# Altium PCB OctopusPB_r0101.PcbDoc (part 9 of 11) (continued)
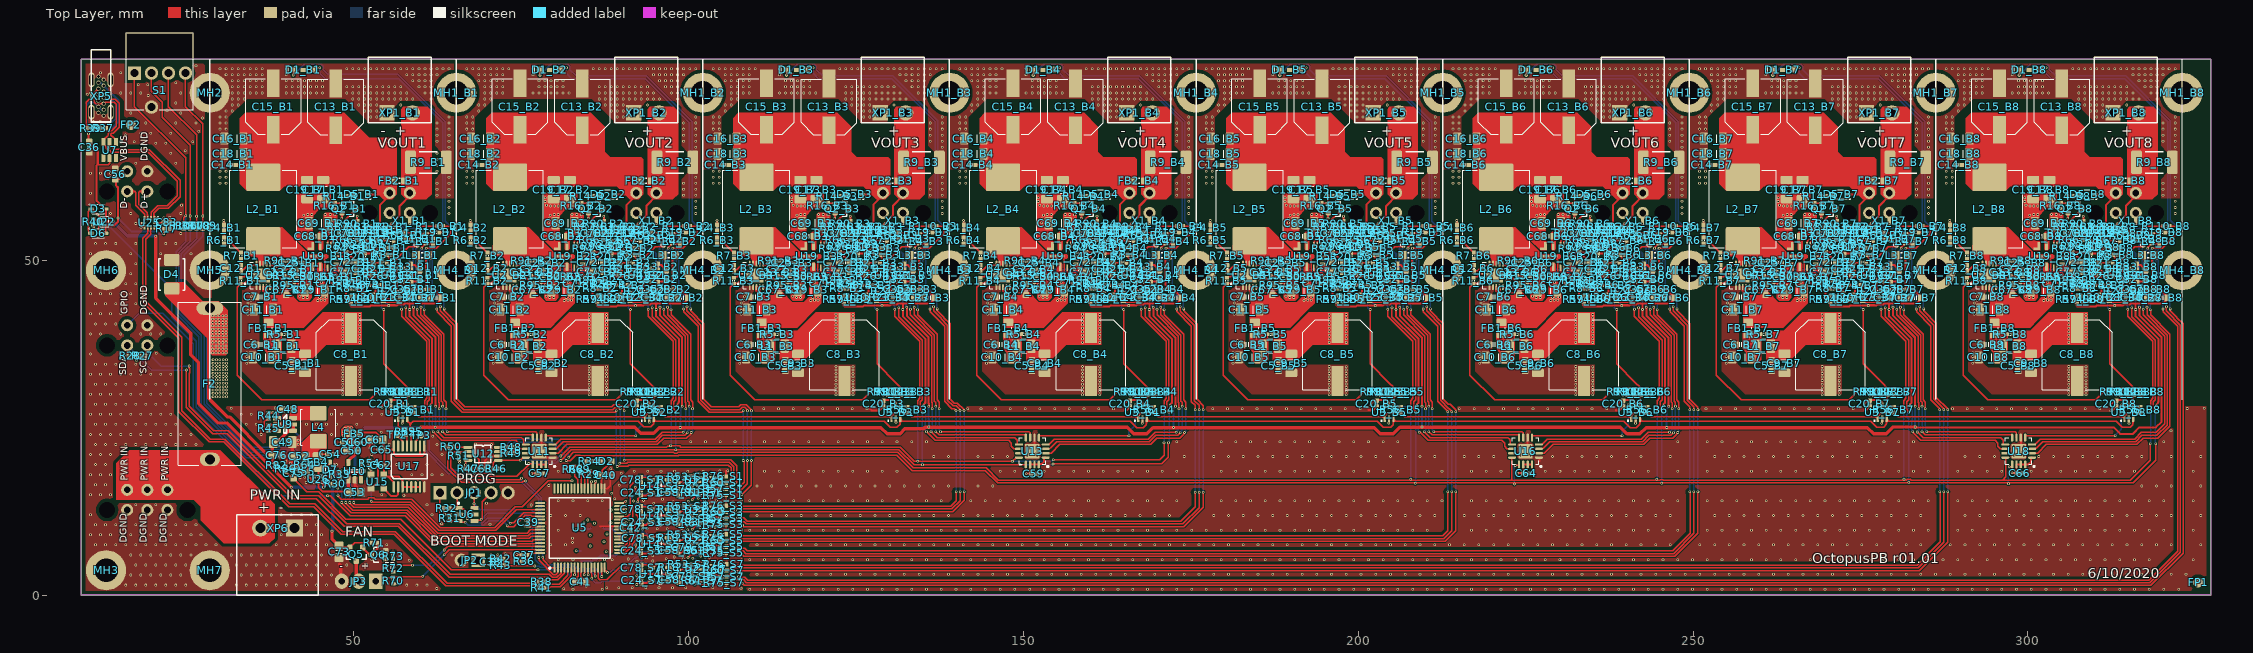
[diagram p0: Top Layer view]
## Nets (pads, with @x,y where several pads share a name; then routed paths per layer and width w, separated by ;. In a path a pad name is that pad's centre, name@x,y a point inside that pad or via, vN(x,y) a via of type N, cw(c..) or ccw(c..) an arc to the next point about the centre after c; other vN are vias at no path point) (continued)
NetQ2_B6_1: Q2_B6.1 R14_B6.1 R16_B6.2 | length 2.3
  Top Layer w0.2: R16_B6.2@231.275,58.605 231.403,58.478 232.223,58.478 Q2_B6.1@232.285,58.415 ; R14_B6.1@232.22,59.55 232.285,59.485 Q2_B6.1@232.285,58.415 ; Q2_B6.1@232.35,58.35 Q2_B6.1@232.285,58.415
NetQ2_B7_1: Q2_B7.1 R14_B7.1 R16_B7.2 | length 2.3
  Top Layer w0.2: R16_B7.2@268.1,58.605 268.228,58.478 269.048,58.478 Q2_B7.1@269.11,58.415 ; R14_B7.1@269.045,59.55 269.11,59.485 Q2_B7.1@269.11,58.415 ; Q2_B7.1@269.175,58.35 Q2_B7.1@269.11,58.415
NetQ2_B8_1: Q2_B8.1 R14_B8.1 R16_B8.2 | length 2.3
  Top Layer w0.2: R16_B8.2@304.925,58.605 305.053,58.478 305.873,58.478 Q2_B8.1@305.935,58.415 ; R14_B8.1@305.87,59.55 305.935,59.485 Q2_B8.1@305.935,58.415 ; Q2_B8.1@306,58.35 Q2_B8.1@305.935,58.415
NetQ5_1: Q5.1 Q6.3 R71.2 | length 4
  Top Layer w0.3: Q5.1@51.3,7.075 51.3,7.025 52.115,6.21 52.415,6.21 Q6.3@52.6,6.025 52.65,6.025 53.53,6.905 R71.2@53.53,7.8
NetQ6_1: Q6.1 R72.2 | length 3
  Top Layer w0.2: Q6.1@54.75,5.375 54.75,4.1 55.25,3.6 55.79,3.6 R72.2@55.875,3.515
  Top Layer w0.3: Q6.1@54.75,5.375 54.786,5.375 Q6.1@54.985,5.177
NetR8_B1_1: R8_B1.1 R58_B1.1 U20_B1.1 | length 2.5
  Top Layer w0.2: R8_B1.1@50.455,45.8 50.455,45.76 50.64,45.575 50.895,45.575 51.245,45.225 U20_B1.1@51.42,45.225 ; R8_B1.1@50.5,45.75 R8_B1.1@50.55,45.8 ; R58_B1.1@51.37,46.3 51.37,45.275 U20_B1.1@51.42,45.225 ; R58_B1.1@51.37,46.455 R58_B1.1@51.375,46.45 ; U20_B1.1@51.495,45.225 U20_B1.1@51.42,45.225
NetR8_B2_1: R8_B2.1 R58_B2.1 U20_B2.1 | length 2.5
  Top Layer w0.2: R8_B2.1@87.28,45.8 87.28,45.76 87.465,45.575 87.72,45.575 88.07,45.225 U20_B2.1@88.245,45.225 ; R8_B2.1@87.325,45.75 R8_B2.1@87.375,45.8 ; R58_B2.1@88.195,46.3 88.195,45.275 U20_B2.1@88.245,45.225 ; R58_B2.1@88.195,46.455 R58_B2.1@88.2,46.45 ; U20_B2.1@88.32,45.225 U20_B2.1@88.245,45.225
NetR8_B3_1: R8_B3.1 R58_B3.1 U20_B3.1 | length 2.5
  Top Layer w0.2: R8_B3.1@124.105,45.8 124.105,45.76 124.29,45.575 124.545,45.575 124.895,45.225 U20_B3.1@125.07,45.225 ; R8_B3.1@124.15,45.75 R8_B3.1@124.2,45.8 ; R58_B3.1@125.02,46.3 125.02,45.275 U20_B3.1@125.07,45.225 ; R58_B3.1@125.02,46.455 R58_B3.1@125.025,46.45 ; U20_B3.1@125.145,45.225 U20_B3.1@125.07,45.225
NetR8_B4_1: R8_B4.1 R58_B4.1 U20_B4.1 | length 2.5
  Top Layer w0.2: R8_B4.1@160.93,45.8 160.93,45.76 161.115,45.575 161.37,45.575 161.72,45.225 U20_B4.1@161.895,45.225 ; R8_B4.1@160.975,45.75 R8_B4.1@161.025,45.8 ; R58_B4.1@161.845,46.3 161.845,45.275 U20_B4.1@161.895,45.225 ; R58_B4.1@161.845,46.455 R58_B4.1@161.85,46.45 ; U20_B4.1@161.97,45.225 U20_B4.1@161.895,45.225
NetR8_B5_1: R8_B5.1 R58_B5.1 U20_B5.1 | length 2.5
  Top Layer w0.2: R8_B5.1@197.755,45.8 197.755,45.76 197.94,45.575 198.195,45.575 198.545,45.225 U20_B5.1@198.72,45.225 ; R8_B5.1@197.8,45.75 R8_B5.1@197.85,45.8 ; R58_B5.1@198.67,46.3 198.67,45.275 U20_B5.1@198.72,45.225 ; R58_B5.1@198.67,46.455 R58_B5.1@198.675,46.45 ; U20_B5.1@198.795,45.225 U20_B5.1@198.72,45.225
NetR8_B6_1: R8_B6.1 R58_B6.1 U20_B6.1 | length 2.5
  Top Layer w0.2: R8_B6.1@234.58,45.8 234.58,45.76 234.765,45.575 235.02,45.575 235.37,45.225 U20_B6.1@235.545,45.225 ; R8_B6.1@234.625,45.75 R8_B6.1@234.675,45.8 ; R58_B6.1@235.495,46.3 235.495,45.275 U20_B6.1@235.545,45.225 ; R58_B6.1@235.495,46.455 R58_B6.1@235.5,46.45 ; U20_B6.1@235.62,45.225 U20_B6.1@235.545,45.225
NetR8_B7_1: R8_B7.1 R58_B7.1 U20_B7.1 | length 2.5
  Top Layer w0.2: R8_B7.1@271.405,45.8 271.405,45.76 271.59,45.575 271.845,45.575 272.195,45.225 U20_B7.1@272.37,45.225 ; R8_B7.1@271.45,45.75 R8_B7.1@271.5,45.8 ; R58_B7.1@272.32,46.3 272.32,45.275 U20_B7.1@272.37,45.225 ; R58_B7.1@272.32,46.455 R58_B7.1@272.325,46.45 ; U20_B7.1@272.445,45.225 U20_B7.1@272.37,45.225
NetR8_B8_1: R8_B8.1 R58_B8.1 U20_B8.1 | length 2.5
  Top Layer w0.2: R8_B8.1@308.23,45.8 308.23,45.76 308.415,45.575 308.67,45.575 309.02,45.225 U20_B8.1@309.195,45.225 ; R8_B8.1@308.275,45.75 R8_B8.1@308.325,45.8 ; R58_B8.1@309.145,46.3 309.145,45.275 U20_B8.1@309.195,45.225 ; R58_B8.1@309.145,46.455 R58_B8.1@309.15,46.45 ; U20_B8.1@309.27,45.225 U20_B8.1@309.195,45.225
NetR10_B1_2: R10_B1.2 R11_B1.2 R99_B1.2 U2_B1.1 | length 42.5
  Top Layer w0.2: U2_B1.1@34.724,46.977 34.708,46.962 34.087,46.962 33.7,46.575 33.18,46.575 R11_B1.2@33.075,46.47 32.55,45.945 32.55,32.85 36.225,29.175 52.375,29.175 53.98,30.78 R99_B1.2@56.08,30.78 ; R99_B1.2@56.125,30.825 R99_B1.2@56.08,30.78 ; R10_B1.2@57.1,30.78 R99_B1.2@56.125,30.78 R99_B1.2@56.08,30.78
NetR10_B2_2: R10_B2.2 R11_B2.2 R99_B2.2 U2_B2.1 | length 42.4
  Top Layer w0.2: U2_B2.1@71.549,46.977 71.533,46.962 70.912,46.962 70.525,46.575 70.005,46.575 R11_B2.2@69.9,46.47 69.375,45.945 69.375,32.85 73.05,29.175 89.2,29.175 90.805,30.78 R99_B2.2@92.905,30.78 ; R99_B2.2@92.95,30.78 R10_B2.2@93.925,30.78
NetR10_B3_2: R10_B3.2 R11_B3.2 R99_B3.2 U2_B3.1 | length 42.4
  Top Layer w0.2: U2_B3.1@108.374,46.977 108.359,46.962 107.737,46.962 107.35,46.575 106.83,46.575 R11_B3.2@106.725,46.47 106.2,45.945 106.2,32.85 109.875,29.175 126.025,29.175 127.63,30.78 R99_B3.2@129.73,30.78 ; R99_B3.2@129.775,30.78 R10_B3.2@130.75,30.78
NetR10_B4_2: R10_B4.2 R11_B4.2 R99_B4.2 U2_B4.1 | length 42.4
  Top Layer w0.2: U2_B4.1@145.199,46.977 145.184,46.962 144.562,46.962 144.175,46.575 143.655,46.575 R11_B4.2@143.55,46.47 143.025,45.945 143.025,32.85 146.7,29.175 162.85,29.175 164.455,30.78 R99_B4.2@166.555,30.78 ; R99_B4.2@166.6,30.78 R10_B4.2@167.575,30.78
NetR10_B5_2: R10_B5.2 R11_B5.2 R99_B5.2 U2_B5.1 | length 42.4
  Top Layer w0.2: U2_B5.1@182.024,46.977 182.009,46.962 181.387,46.962 181,46.575 180.48,46.575 R11_B5.2@180.375,46.47 179.85,45.945 179.85,32.85 183.525,29.175 199.675,29.175 201.28,30.78 R99_B5.2@203.38,30.78 ; R99_B5.2@203.425,30.78 R10_B5.2@204.4,30.78
NetR10_B6_2: R10_B6.2 R11_B6.2 R99_B6.2 U2_B6.1 | length 42.4
  Top Layer w0.2: U2_B6.1@218.849,46.977 218.834,46.962 218.212,46.962 217.825,46.575 217.305,46.575 R11_B6.2@217.2,46.47 216.675,45.945 216.675,32.85 220.35,29.175 236.5,29.175 238.105,30.78 R99_B6.2@240.205,30.78 ; R99_B6.2@240.25,30.78 R10_B6.2@241.225,30.78
NetR10_B7_2: R10_B7.2 R11_B7.2 R99_B7.2 U2_B7.1 | length 42.4
  Top Layer w0.2: U2_B7.1@255.674,46.977 255.659,46.962 255.037,46.962 254.65,46.575 254.13,46.575 R11_B7.2@254.025,46.47 253.5,45.945 253.5,32.85 257.175,29.175 273.325,29.175 274.93,30.78 R99_B7.2@277.03,30.78 ; R99_B7.2@277.075,30.78 R10_B7.2@278.05,30.78
NetR10_B8_2: R10_B8.2 R11_B8.2 R99_B8.2 U2_B8.1 | length 42.4
  Top Layer w0.2: U2_B8.1@292.499,46.977 292.484,46.962 291.862,46.962 291.475,46.575 290.955,46.575 R11_B8.2@290.85,46.47 290.325,45.945 290.325,32.85 294,29.175 310.15,29.175 311.755,30.78 R99_B8.2@313.855,30.78 ; R99_B8.2@313.9,30.78 R10_B8.2@314.875,30.78
NetR23_B1_1: R23_B1.1 R24_B1.1 R25_B1.1 R26_B1.1 U4_B1.6 | length 6.4
  Top Layer w0.2: R25_B1.1@54.02,48.675 54.02,48.635 54.345,48.31 54.345,48.259 54.605,47.999 54.605,47.94 R26_B1.1@54.93,47.615 ; R26_B1.1@54.93,47.575 R26_B1.1@54.93,47.615 ; R26_B1.1@54.93,47.64 R26_B1.1@54.93,47.615 ; R26_B1.1@54.93,47.65 55.04,47.54 56.288,47.54 56.479,47.349 U4_B1.6@56.479,46.84 56.503,46.817 56.503,45.556 56.322,45.376 56.373,45.326 56.373,45.023 56.53,44.866 56.53,44.815 56.855,44.49 R23_B1.1@56.855,44.45
NetR23_B2_1: R23_B2.1 R24_B2.1 R25_B2.1 R26_B2.1 U4_B2.6 | length 6.4
  Top Layer w0.2: R25_B2.1@90.845,48.675 90.845,48.635 91.17,48.31 91.17,48.259 91.43,47.999 91.43,47.94 R26_B2.1@91.755,47.615 ; R26_B2.1@91.755,47.575 R26_B2.1@91.755,47.615 ; R26_B2.1@91.755,47.64 R26_B2.1@91.755,47.615 ; R26_B2.1@91.755,47.65 91.865,47.54 93.113,47.54 93.304,47.349 U4_B2.6@93.304,46.84 93.328,46.817 93.328,45.556 93.147,45.376 93.198,45.326 93.198,45.023 93.355,44.866 93.355,44.815 93.68,44.49 R23_B2.1@93.68,44.45
NetR23_B3_1: R23_B3.1 R24_B3.1 R25_B3.1 R26_B3.1 U4_B3.6 | length 6.4
  Top Layer w0.2: R25_B3.1@127.67,48.675 127.67,48.635 127.995,48.31 127.995,48.259 128.255,47.999 128.255,47.94 R26_B3.1@128.58,47.615 ; R26_B3.1@128.58,47.575 R26_B3.1@128.58,47.615 ; R26_B3.1@128.58,47.64 R26_B3.1@128.58,47.615 ; R26_B3.1@128.58,47.65 128.69,47.54 129.938,47.54 130.129,47.349 U4_B3.6@130.129,46.84 130.153,46.817 130.153,45.556 129.972,45.376 130.023,45.326 130.023,45.023 130.18,44.866 130.18,44.815 130.505,44.49 R23_B3.1@130.505,44.45
NetR23_B4_1: R23_B4.1 R24_B4.1 R25_B4.1 R26_B4.1 U4_B4.6 | length 6.4
  Top Layer w0.2: R25_B4.1@164.495,48.675 164.495,48.635 164.82,48.31 164.82,48.259 165.08,47.999 165.08,47.94 R26_B4.1@165.405,47.615 ; R26_B4.1@165.405,47.575 R26_B4.1@165.405,47.615 ; R26_B4.1@165.405,47.64 R26_B4.1@165.405,47.615 ; R26_B4.1@165.405,47.65 165.515,47.54 166.763,47.54 166.954,47.349 U4_B4.6@166.954,46.84 166.978,46.817 166.978,45.556 166.797,45.376 166.848,45.326 166.848,45.023 167.005,44.866 167.005,44.815 167.33,44.49 R23_B4.1@167.33,44.45
NetR23_B5_1: R23_B5.1 R24_B5.1 R25_B5.1 R26_B5.1 U4_B5.6 | length 6.4
  Top Layer w0.2: R25_B5.1@201.32,48.675 201.32,48.635 201.645,48.31 201.645,48.259 201.905,47.999 201.905,47.94 R26_B5.1@202.23,47.615 ; R26_B5.1@202.23,47.575 R26_B5.1@202.23,47.615 ; R26_B5.1@202.23,47.64 R26_B5.1@202.23,47.615 ; R26_B5.1@202.23,47.65 202.34,47.54 203.588,47.54 203.779,47.349 U4_B5.6@203.779,46.84 203.803,46.817 203.803,45.556 203.622,45.376 203.673,45.326 203.673,45.023 203.83,44.866 203.83,44.815 204.155,44.49 R23_B5.1@204.155,44.45
NetR23_B6_1: R23_B6.1 R24_B6.1 R25_B6.1 R26_B6.1 U4_B6.6 | length 6.4
  Top Layer w0.2: R25_B6.1@238.145,48.675 238.145,48.635 238.47,48.31 238.47,48.259 238.73,47.999 238.73,47.94 R26_B6.1@239.055,47.615 ; R26_B6.1@239.055,47.575 R26_B6.1@239.055,47.615 ; R26_B6.1@239.055,47.64 R26_B6.1@239.055,47.615 ; R26_B6.1@239.055,47.65 239.165,47.54 240.413,47.54 240.604,47.349 U4_B6.6@240.604,46.84 240.628,46.817 240.628,45.556 240.447,45.376 240.498,45.326 240.498,45.023 240.655,44.866 240.655,44.815 240.98,44.49 R23_B6.1@240.98,44.45
NetR23_B7_1: R23_B7.1 R24_B7.1 R25_B7.1 R26_B7.1 U4_B7.6 | length 6.4
  Top Layer w0.2: R25_B7.1@274.97,48.675 274.97,48.635 275.295,48.31 275.295,48.259 275.555,47.999 275.555,47.94 R26_B7.1@275.88,47.615 ; R26_B7.1@275.88,47.575 R26_B7.1@275.88,47.615 ; R26_B7.1@275.88,47.64 R26_B7.1@275.88,47.615 ; R26_B7.1@275.88,47.65 275.99,47.54 277.238,47.54 277.429,47.349 U4_B7.6@277.429,46.84 277.453,46.817 277.453,45.556 277.272,45.376 277.323,45.326 277.323,45.023 277.48,44.866 277.48,44.815 277.805,44.49 R23_B7.1@277.805,44.45
NetR23_B8_1: R23_B8.1 R24_B8.1 R25_B8.1 R26_B8.1 U4_B8.6 | length 6.4
  Top Layer w0.2: R25_B8.1@311.795,48.675 311.795,48.635 312.12,48.31 312.12,48.259 312.38,47.999 312.38,47.94 R26_B8.1@312.705,47.615 ; R26_B8.1@312.705,47.575 R26_B8.1@312.705,47.615 ; R26_B8.1@312.705,47.64 R26_B8.1@312.705,47.615 ; R26_B8.1@312.705,47.65 312.815,47.54 314.063,47.54 314.254,47.349 U4_B8.6@314.254,46.84 314.278,46.817 314.278,45.556 314.097,45.376 314.148,45.326 314.148,45.023 314.305,44.866 314.305,44.815 314.63,44.49 R23_B8.1@314.63,44.45
NetR30_1: R30.1 R33.1 U5.26 | length 55.1
  Top Layer w0.2: v1(47.602,15.976) 47.639,16.012 47.639,16.6 47.725,16.686 47.725,17.5 R33.1@47.675,17.55 ; v1(47.625,14.875) 47.625,14.801 48.1,14.326 52.076,14.326 52.25,14.5 52.95,14.5 53.175,14.275 58.65,14.275 62.866,10.059 71.018,10.059 74.118,13.159 75.134,13.159 79.025,17.05 v3@82.561,17.05 ; U5.26@89.616,10.759 89.635,10.778 90.632,10.778 v1(90.654,10.801)
  Layer 2 w0.2: v3(82.579,17.076) 83.655,16 86.475,16 88.925,13.55 88.925,12.53 v1(90.654,10.801)
  Bottom Layer w0.2: v1(47.602,15.976) 47.602,14.898 v1(47.625,14.875) ; v1(90.654,10.801) 90.658,10.801 v1@90.688,10.771
NetR37_2: R37.2 XP5.A5 | length 6.8
  Top Layer w0.2: R37.2@13.04,69.865 13.092,69.813 R37.2@13.167,69.738 ; R37.2@13.04,70.015 v1(13.4,70.375)
  Bottom Layer w0.2: XP5.A5@12.63,75.175 14.42,73.385 14.42,71.164 13.781,70.525 13.604,70.525 13.454,70.375 v1(13.4,70.375)
NetR39_2: R39.2 XP5.B5 | length 6.3
  Top Layer w0.2: 10.027,70.093 10.027,70.243 ; R39.2@10.22,69.575 R39.2@10.22,69.9 ; 10.22,70.05 10.027,70.243 ; v1(10.8,74.15) 10.775,74.15 10.675,74.05 10.475,74.05 10.027,73.602 10.027,70.243
  Bottom Layer w0.2: v1(10.8,74.15) 11.417,74.15 11.742,73.825 XP5.B5@11.85,73.825
NetR44_1: R44.1 R45.2 U9.3 | length 4
  Top Layer w0.2: R44.1@37.3,26.32 37.115,26.135 36.785,26.135 36.6,25.95 36.6,24.9 36.84,24.66 37.115,24.66 R45.2@37.3,24.475 37.325,24.5 38.5,24.5 U9.3@38.525,24.525
NetR57_S1_2: R57_S1.2 R75_S1.2 U21_S1.1 | length 2.3
  Top Layer w0.2: U21_S1.1@103.538,16.285 103.863,16.285 104.11,16.038 104.518,16.038 R57_S1.2@104.695,15.86 R75_S1.2@104.695,14.935
NetR57_S2_2: R57_S2.2 R75_S2.2 U21_S2.1 | length 2.3
  Bottom Layer w0.2: U21_S2.1@103.485,16.373 103.81,16.373 104.058,16.62 104.465,16.62 104.643,16.798 R75_S2.2@104.643,17.723
NetR57_S3_2: R57_S3.2 R75_S3.2 U21_S3.1 | length 2.3
  Top Layer w0.2: U21_S3.1@103.538,11.89 103.863,11.89 104.11,11.643 104.518,11.643 R57_S3.2@104.695,11.465 R75_S3.2@104.695,10.54
NetR57_S4_2: R57_S4.2 R75_S4.2 U21_S4.1 | length 2.3
  Bottom Layer w0.2: U21_S4.1@103.558,11.96 103.882,11.96 104.13,12.208 104.537,12.208 104.715,12.385 R75_S4.2@104.715,13.31
NetR57_S5_2: R57_S5.2 R75_S5.2 U21_S5.1 | length 2.3
  Top Layer w0.2: U21_S5.1@103.587,7.615 103.912,7.615 104.16,7.367 104.567,7.367 104.745,7.19 R75_S5.2@104.745,6.265
NetR57_S6_2: R57_S6.2 R75_S6.2 U21_S6.1 | length 2.3
  Bottom Layer w0.2: U21_S6.1@103.587,7.725 103.912,7.725 104.16,7.972 104.567,7.972 104.745,8.15 R75_S6.2@104.745,9.075
NetR57_S7_2: R57_S7.2 R75_S7.2 U21_S7.1 | length 2.3
  Top Layer w0.2: U21_S7.1@103.617,3.2 103.942,3.2 104.19,2.952 104.597,2.952 104.775,2.775 R75_S7.2@104.775,1.85
NetR57_S8_2: R57_S8.2 R75_S8.2 U21_S8.1 | length 2.3
  Bottom Layer w0.2: U21_S8.1@103.632,3.285 103.957,3.285 104.205,3.532 104.612,3.532 104.79,3.71 R75_S8.2@104.79,4.635
NetR59_B1_1: R59_B1.1 R74_B1.1 U20_B1.2 | length 1.9
  Top Layer w0.2: R59_B1.1@49.525,44.655 R74_B1.1@50.5,44.655 ; R74_B1.1@50.55,44.75 51.47,44.75 U20_B1.2@51.495,44.725
NetR59_B2_1: R59_B2.1 R74_B2.1 U20_B2.2 | length 1.9
  Top Layer w0.2: R59_B2.1@86.35,44.655 R74_B2.1@87.325,44.655 ; R74_B2.1@87.375,44.75 88.295,44.75 U20_B2.2@88.32,44.725
NetR59_B3_1: R59_B3.1 R74_B3.1 U20_B3.2 | length 1.9
  Top Layer w0.2: R59_B3.1@123.175,44.655 R74_B3.1@124.15,44.655 ; R74_B3.1@124.2,44.75 125.12,44.75 U20_B3.2@125.145,44.725
NetR59_B4_1: R59_B4.1 R74_B4.1 U20_B4.2 | length 1.9
  Top Layer w0.2: R59_B4.1@160,44.655 R74_B4.1@160.975,44.655 ; R74_B4.1@161.025,44.75 161.945,44.75 U20_B4.2@161.97,44.725
NetR59_B5_1: R59_B5.1 R74_B5.1 U20_B5.2 | length 1.9
  Top Layer w0.2: R59_B5.1@196.825,44.655 R74_B5.1@197.8,44.655 ; R74_B5.1@197.85,44.75 198.77,44.75 U20_B5.2@198.795,44.725
NetR59_B6_1: R59_B6.1 R74_B6.1 U20_B6.2 | length 1.9
  Top Layer w0.2: R59_B6.1@233.65,44.655 R74_B6.1@234.625,44.655 ; R74_B6.1@234.675,44.75 235.595,44.75 U20_B6.2@235.62,44.725
NetR59_B7_1: R59_B7.1 R74_B7.1 U20_B7.2 | length 1.9
  Top Layer w0.2: R59_B7.1@270.475,44.655 R74_B7.1@271.45,44.655 ; R74_B7.1@271.5,44.75 272.42,44.75 U20_B7.2@272.445,44.725
NetR59_B8_1: R59_B8.1 R74_B8.1 U20_B8.2 | length 1.9
  Top Layer w0.2: R59_B8.1@307.3,44.655 R74_B8.1@308.275,44.655 ; R74_B8.1@308.325,44.75 309.245,44.75 U20_B8.2@309.27,44.725
NetR60_S1_2: R60_S1.2 R76_S1.2 U21_S1.3 | length 2.1
  Top Layer w0.2: U21_S1.3@103.538,17.585 104.57,17.585 R76_S1.2@104.695,17.71 R60_S1.2@104.695,16.785
NetR60_S2_2: R60_S2.2 R76_S2.2 U21_S2.3 | length 2.1
  Bottom Layer w0.2: U21_S2.3@103.485,15.073 104.518,15.073 104.643,14.948 R60_S2.2@104.643,15.873
NetR60_S3_2: R60_S3.2 R76_S3.2 U21_S3.3 | length 2.1
  Top Layer w0.2: U21_S3.3@103.538,13.19 104.57,13.19 R76_S3.2@104.695,13.315 R60_S3.2@104.695,12.39
NetR60_S4_2: R60_S4.2 R76_S4.2 U21_S4.3 | length 2.1
  Bottom Layer w0.2: U21_S4.3@103.558,10.66 104.59,10.66 104.715,10.535 R60_S4.2@104.715,11.46
NetR60_S5_2: R60_S5.2 R76_S5.2 U21_S5.3 | length 2.1
  Top Layer w0.2: U21_S5.3@103.587,8.915 104.62,8.915 104.745,9.04 R60_S5.2@104.745,8.115
NetR60_S6_2: R60_S6.2 R76_S6.2 U21_S6.3 | length 2.1
  Bottom Layer w0.2: U21_S6.3@103.587,6.425 104.62,6.425 104.745,6.3 R60_S6.2@104.745,7.225
NetR60_S7_2: R60_S7.2 R76_S7.2 U21_S7.3 | length 2.1
  Top Layer w0.2: U21_S7.3@103.617,4.5 104.65,4.5 104.775,4.625 R60_S7.2@104.775,3.7
NetR60_S8_2: R60_S8.2 R76_S8.2 U21_S8.3 | length 2.1
  Bottom Layer w0.2: U21_S8.3@103.632,1.985 104.665,1.985 104.79,1.86 R60_S8.2@104.79,2.785
NetR65_B1_1: R65_B1.1 U19_B1.13 | length 1.6
  Top Layer w0.2: U19_B1.13@46.075,48.875 46.1,48.85 46.1,48.306 46.681,47.725 R65_B1.1@46.846,47.725
NetR65_B2_1: R65_B2.1 U19_B2.13 | length 1.6
  Top Layer w0.2: U19_B2.13@82.9,48.875 82.925,48.85 82.925,48.306 83.506,47.725 R65_B2.1@83.671,47.725
NetR65_B3_1: R65_B3.1 U19_B3.13 | length 1.6
  Top Layer w0.2: U19_B3.13@119.725,48.875 119.75,48.85 119.75,48.306 120.331,47.725 R65_B3.1@120.496,47.725
NetR65_B4_1: R65_B4.1 U19_B4.13 | length 1.6
  Top Layer w0.2: U19_B4.13@156.55,48.875 156.575,48.85 156.575,48.306 157.156,47.725 R65_B4.1@157.321,47.725
NetR65_B5_1: R65_B5.1 U19_B5.13 | length 1.6
  Top Layer w0.2: U19_B5.13@193.375,48.875 193.4,48.85 193.4,48.306 193.981,47.725 R65_B5.1@194.146,47.725
NetR65_B6_1: R65_B6.1 U19_B6.13 | length 1.6
  Top Layer w0.2: U19_B6.13@230.2,48.875 230.225,48.85 230.225,48.306 230.806,47.725 R65_B6.1@230.971,47.725
NetR65_B7_1: R65_B7.1 U19_B7.13 | length 1.6
  Top Layer w0.2: U19_B7.13@267.025,48.875 267.05,48.85 267.05,48.306 267.631,47.725 R65_B7.1@267.796,47.725
NetR65_B8_1: R65_B8.1 U19_B8.13 | length 1.6
  Top Layer w0.2: U19_B8.13@303.85,48.875 303.875,48.85 303.875,48.306 304.456,47.725 R65_B8.1@304.621,47.725
NetR66_B1_2: R66_B1.2 U19_B1.6 | length 3.6
  Top Layer w0.2: U19_B1.6@46.575,52.275 46.6,52.3 46.6,52.779 46.846,53.025 48.003,53.025 48.103,52.925 49.295,52.925 R66_B1.2@49.445,53.075
NetR66_B2_2: R66_B2.2 U19_B2.6 | length 3.6
  Top Layer w0.2: U19_B2.6@83.4,52.275 83.425,52.3 83.425,52.779 83.671,53.025 84.828,53.025 84.928,52.925 86.12,52.925 R66_B2.2@86.27,53.075
NetR66_B3_2: R66_B3.2 U19_B3.6 | length 3.6
  Top Layer w0.2: U19_B3.6@120.225,52.275 120.25,52.3 120.25,52.779 120.496,53.025 121.653,53.025 121.753,52.925 122.945,52.925 R66_B3.2@123.095,53.075
NetR66_B4_2: R66_B4.2 U19_B4.6 | length 3.6
  Top Layer w0.2: U19_B4.6@157.05,52.275 157.075,52.3 157.075,52.779 157.321,53.025 158.478,53.025 158.578,52.925 159.77,52.925 R66_B4.2@159.92,53.075
NetR66_B5_2: R66_B5.2 U19_B5.6 | length 3.6
  Top Layer w0.2: U19_B5.6@193.875,52.275 193.9,52.3 193.9,52.779 194.146,53.025 195.303,53.025 195.403,52.925 196.595,52.925 R66_B5.2@196.745,53.075
NetR66_B6_2: R66_B6.2 U19_B6.6 | length 3.6
  Top Layer w0.2: U19_B6.6@230.7,52.275 230.725,52.3 230.725,52.779 230.971,53.025 232.128,53.025 232.228,52.925 233.42,52.925 R66_B6.2@233.57,53.075
NetR66_B7_2: R66_B7.2 U19_B7.6 | length 3.6
  Top Layer w0.2: U19_B7.6@267.525,52.275 267.55,52.3 267.55,52.779 267.796,53.025 268.953,53.025 269.053,52.925 270.245,52.925 R66_B7.2@270.395,53.075
NetR66_B8_2: R66_B8.2 U19_B8.6 | length 3.6
  Top Layer w0.2: U19_B8.6@304.35,52.275 304.375,52.3 304.375,52.779 304.621,53.025 305.778,53.025 305.878,52.925 307.07,52.925 R66_B8.2@307.22,53.075
nRST: C37.1 JP1.4 R36.1 U5.64 U6.4 | length 22.2
  Top Layer w0.2: U6.4@68.025,11.075 68.125,11.175 68.9,11.175 v1(69.037,11.312) 69.175,11.45 69.175,13.96 JP1.4@70.49,15.275 ; R36.1@75.923,5.033 75.923,5.542 ; C37.1@75.923,5.968 75.923,5.542 ; U5.64@77.816,6.259 v1(76.644,6.259) 76.199,6.259 C37.1@75.915,5.975 75.915,5.55 75.923,5.542
  Bottom Layer w0.2: v1(69.037,11.312) 69.092,11.312 69.954,12.175 75.45,12.175 76.644,10.981 v1(76.644,6.259)
OUT_1MHz: R52.1 U17.13 | length 1.7
  Top Layer w0.2: R52.1@57.75,23.895 57.896,23.749 57.896,22.279 U17.13@57.925,22.25
OUT_500kHz: R55.1 U17.12 | length 1.7
  Top Layer w0.2: U17.12@58.575,22.25 58.604,22.279 58.604,23.799 R55.1@58.7,23.895
PGND_ADC1: R53_S1.2 X1_B1.2 | length 90.9
  Top Layer w0.2: v1(63.478,42.727) 63.478,42.438 64.458,41.458 64.458,41.424 65.404,40.477 65.404,29.246 66.55,28.1 88.527,28.1 88.827,28.4 89.573,28.4 89.673,28.3 90.007,28.3 90.3,28.007 90.3,27.966 90.341,27.966 90.341,27.54 v1(90.379,27.501) ; v1(90.375,20.15) 90.413,20.112 90.563,20.112 90.652,20.2 106.299,20.2 107.175,19.324 107.175,16.826 v1@107.053,16.703 ; R53_S1.2@100.305,17.685 100.305,17.725 100.49,17.91 100.708,17.91 100.825,18.027 100.87,18.027 v1@100.892,18.049
  Layer 2 w0.2: v1@100.892,18.049 101.866,17.075 106.15,17.075 106.449,16.776 v1(106.98,16.776)
  Bottom Layer w0.2: v1(58.325,55.425) 58.475,55.275 59.5,55.275 60.925,53.85 60.925,53.794 62.101,52.617 62.101,51.22 61.725,50.844 61.725,46.166 63.425,44.466 63.425,42.78 v1(63.478,42.727) ; v1(90.375,20.15) 90.379,20.154 v1(90.379,27.501)
  other v1: 100.867,18.024
PGND_ADC2: R53_S2.2 X1_B2.2 | length 59.3
  Top Layer w0.2: v1(100.303,42.727) 100.303,42.438 101.283,41.458 101.283,41.424 102.229,40.477 102.229,29.246 103.375,28.1 107.477,28.1 107.802,28.425 108.582,28.425 109.375,27.632 v1(109.375,27.525) ; v1(107.925,15) 109.336,16.411 109.336,20.061 v1(109.375,20.1)
  Layer 2 w0.2: v1@101.592,14.474 102.118,15 v1(107.925,15)
  Bottom Layer w0.2: v1(95.15,55.425) 95.3,55.275 96.325,55.275 97.75,53.85 97.75,53.794 98.926,52.617 98.926,51.22 98.55,50.844 98.55,46.166 100.25,44.466 100.25,42.78 v1(100.303,42.727) ; R53_S2.2@100.253,14.973 100.253,14.938 100.443,14.748 100.726,14.748 100.961,14.513 101.379,14.513 v1(101.417,14.474) ; v1(109.375,20.1) v1(109.375,27.525)
PGND_ADC3: R53_S3.2 X1_B3.2 | length 88.8
  Top Layer w0.2: R53_S3.2@100.305,13.29 100.305,13.306 100.49,13.491 100.89,13.491 101.161,13.762 101.387,13.762 v1(101.425,13.8) ; v1(107.33,12.151) 107.63,12.45 139.45,12.45 141.125,14.125 v1@141.125,15.425 ; v1(137.128,42.727) 137.128,42.438 138.108,41.458 138.108,41.424 139.054,40.477 139.054,29.246 139.666,28.634 140.148,28.634 141.125,27.657 v1(141.125,27.55)
  Layer 2 w0.2: v1(101.425,13.8) 102.075,13.15 105.809,13.15 106.785,12.174 107.307,12.174 v1(107.33,12.151)
  Bottom Layer w0.2: v1(131.975,55.425) 132.125,55.275 133.15,55.275 134.575,53.85 134.575,53.794 135.751,52.617 135.751,51.22 135.375,50.844 135.375,46.166 137.075,44.466 137.075,42.78 v1(137.128,42.727) ; v1@141.125,15.425 v1(141.125,27.55)
  other v1: 141.15,15.425
PGND_ADC4: R53_S4.2 X1_B4.2 | length 124.8
  Top Layer w0.2: v1(108.05,10.4) 108.225,10.225 173.975,10.225 176.85,13.1 v1(176.85,15.325) ; 173.953,42.438 v1(173.953,42.727) ; 173.991,42.399 174.971,41.42 ; 174.971,41.385 175.917,40.439 175.917,29.208 176.85,28.275 v1(176.85,27.675)
  Layer 2 w0.2: v1(101.725,10.075) 102.225,10.575 ; 102.157,10.575 104.761,10.575 104.936,10.4 v1(108.05,10.4)
  Bottom Layer w0.2: R53_S4.2@100.33,10.56 100.33,10.544 100.515,10.359 100.915,10.359 101.2,10.075 v1(101.725,10.075) ; v1(168.8,55.425) 168.95,55.275 169.975,55.275 171.4,53.85 171.4,53.794 172.576,52.617 172.576,51.22 172.2,50.844 172.2,46.166 173.9,44.466 173.9,42.78 v1(173.953,42.727) ; v1(176.85,15.325) v1(176.85,27.675)
PGND_ADC5: R53_S5.2 X1_B5.2 | length 166.2
  Top Layer w0.2: R53_S5.2@100.3,9.035 100.34,9.075 100.675,9.075 101.072,9.472 101.403,9.472 v1(101.441,9.51) ; v1(107.225,8.175) 107.375,8.025 212.956,8.025 214.55,9.619 v1(214.55,15.4) ; v1(210.778,42.727) 210.778,42.438 211.758,41.458 211.758,41.424 212.704,40.477 212.704,29.246 213.474,28.476 213.724,28.476 214.55,27.65 v1(214.55,27.35)
  Layer 2 w0.2: v1@101.541,9.51 101.541,9.407 101.948,9 104.675,9 105.5,8.176 v1(107.225,8.175) v1(107.225,8.175)
  Bottom Layer w0.2: v1(205.625,55.425) 205.775,55.275 206.8,55.275 208.225,53.85 208.225,53.794 209.401,52.617 209.401,51.22 209.025,50.844 209.025,46.166 210.725,44.466 210.725,42.78 v1(210.778,42.727) ; v1(214.55,15.4) v1(214.55,27.35)
PGND_ADC6: R53_S6.2 X1_B6.2 | length 203.2
  Top Layer w0.2: v1(107.95,6.075) 108.225,5.8 247.281,5.8 250.725,9.244 v1(250.725,15.4) ; v1(247.603,42.727) 247.603,42.438 248.583,41.458 ; 248.583,41.424 249.529,40.477 249.529,29.246 250.725,28.05 v1(250.725,27.65)
  Layer 2 w0.2: v1(101.785,5.826) 101.785,5.887 102.298,6.4 105.591,6.4 106.116,5.875 107.143,5.875 107.75,5.875 v1(107.95,6.075)
  Bottom Layer w0.2: R53_S6.2@100.355,6.325 100.355,6.285 100.54,6.1 100.758,6.1 100.958,5.9 101.711,5.9 v1(101.785,5.826) ; v1(242.45,55.425) 242.6,55.275 243.625,55.275 245.05,53.85 245.05,53.794 246.227,52.617 246.227,51.22 245.85,50.844 245.85,46.166 247.55,44.466 247.55,42.78 v1(247.603,42.727) ; v1(250.725,15.4) v1(250.725,27.65)